# Altium PCB devkit-visao.PcbDoc (part 1 of 2)
Units mm, origin at the board's own origin, x right, y up, seen from the top; angles counter-clockwise.
Board outline 71 x 59 mm, 4 copper layers (L1, L2, L3, L4), stack 1.56 mm thick; 128 components, 84 nets, 411 pads, 419 vias.
Unrouted connection lines stored in the file: 253.
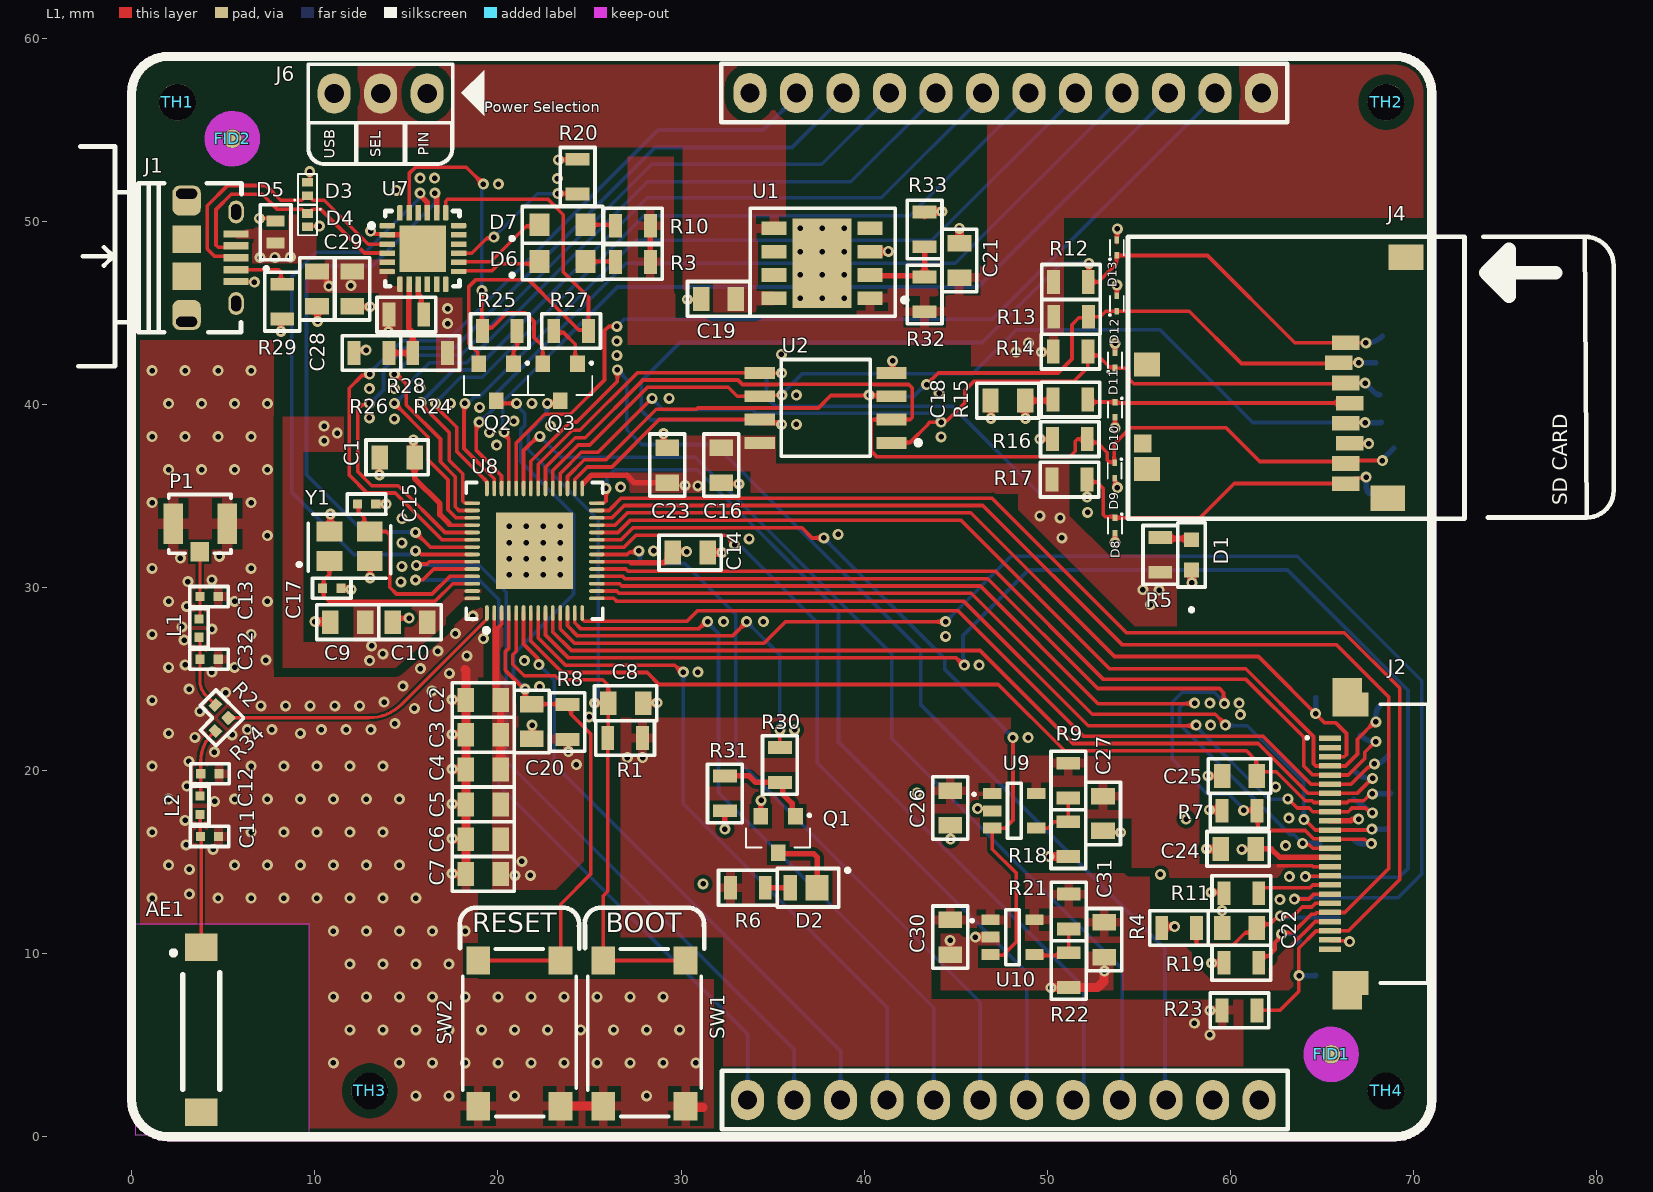
[diagram p0: L1 view]
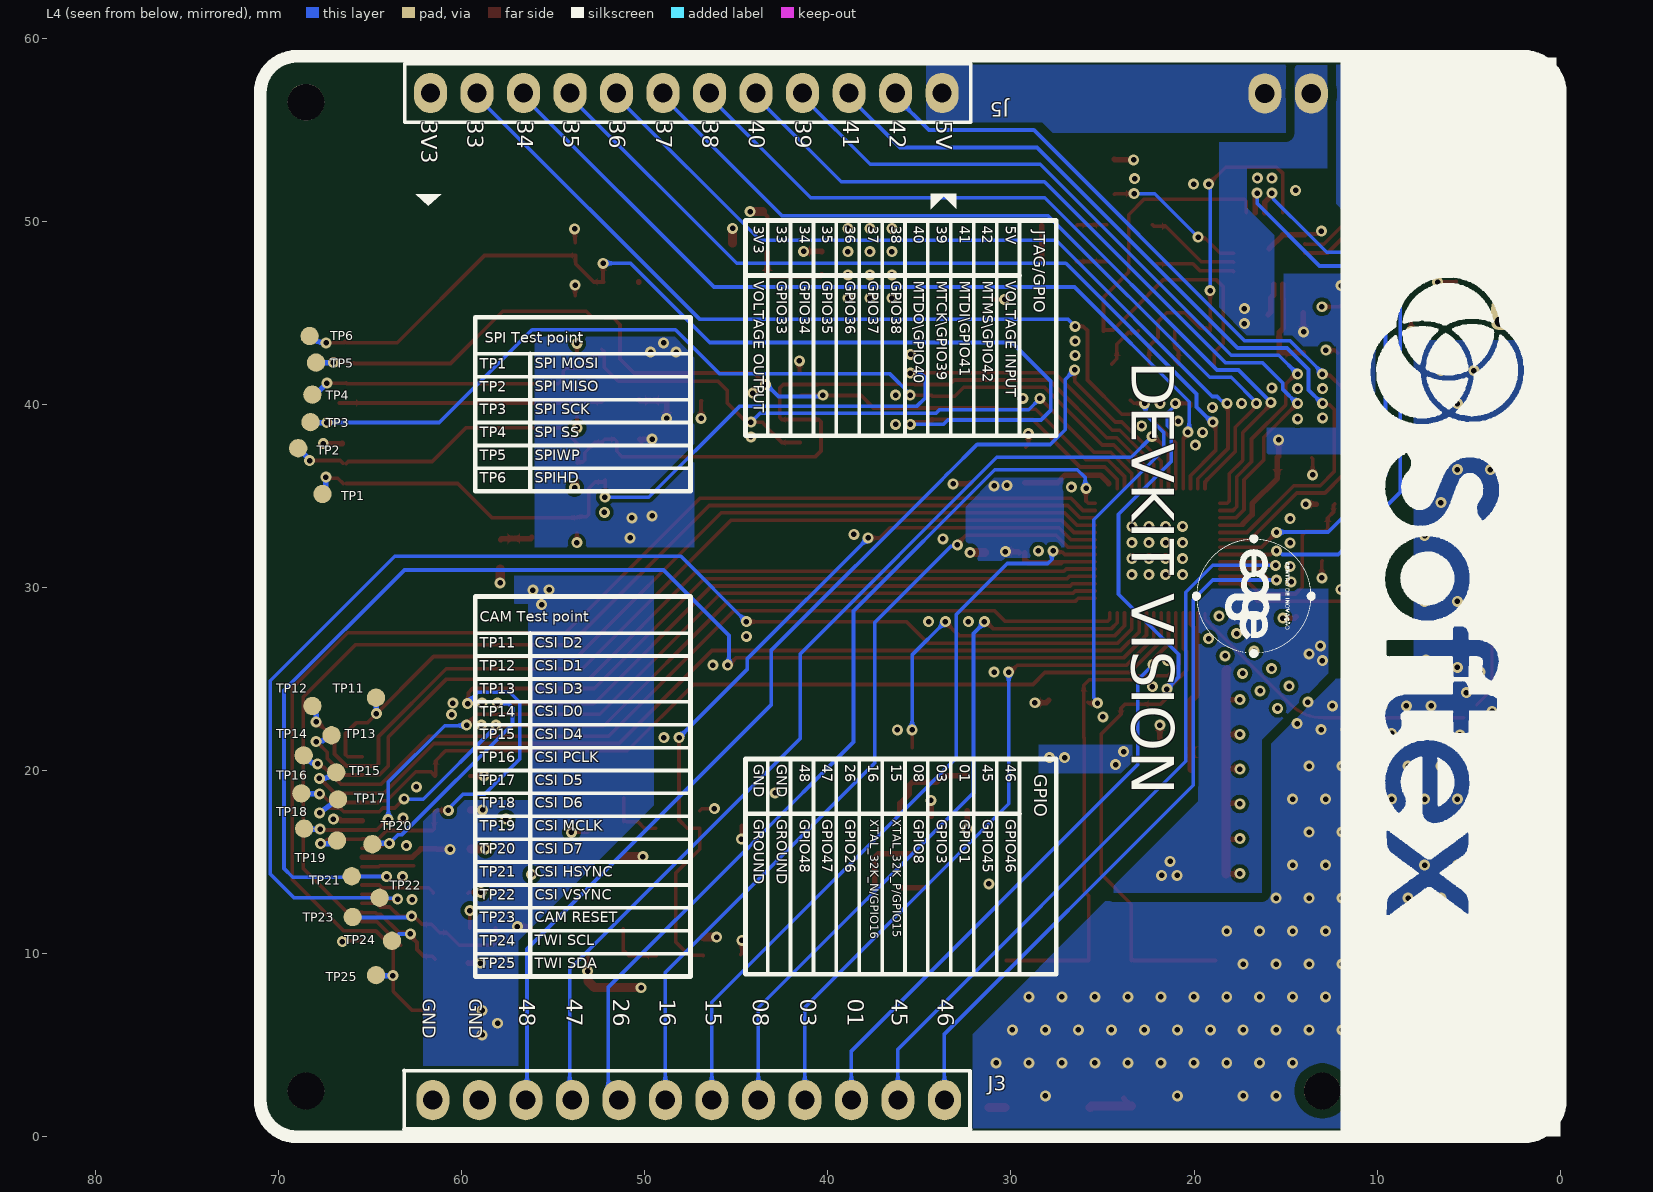
[diagram p1: L4 view, seen from below]
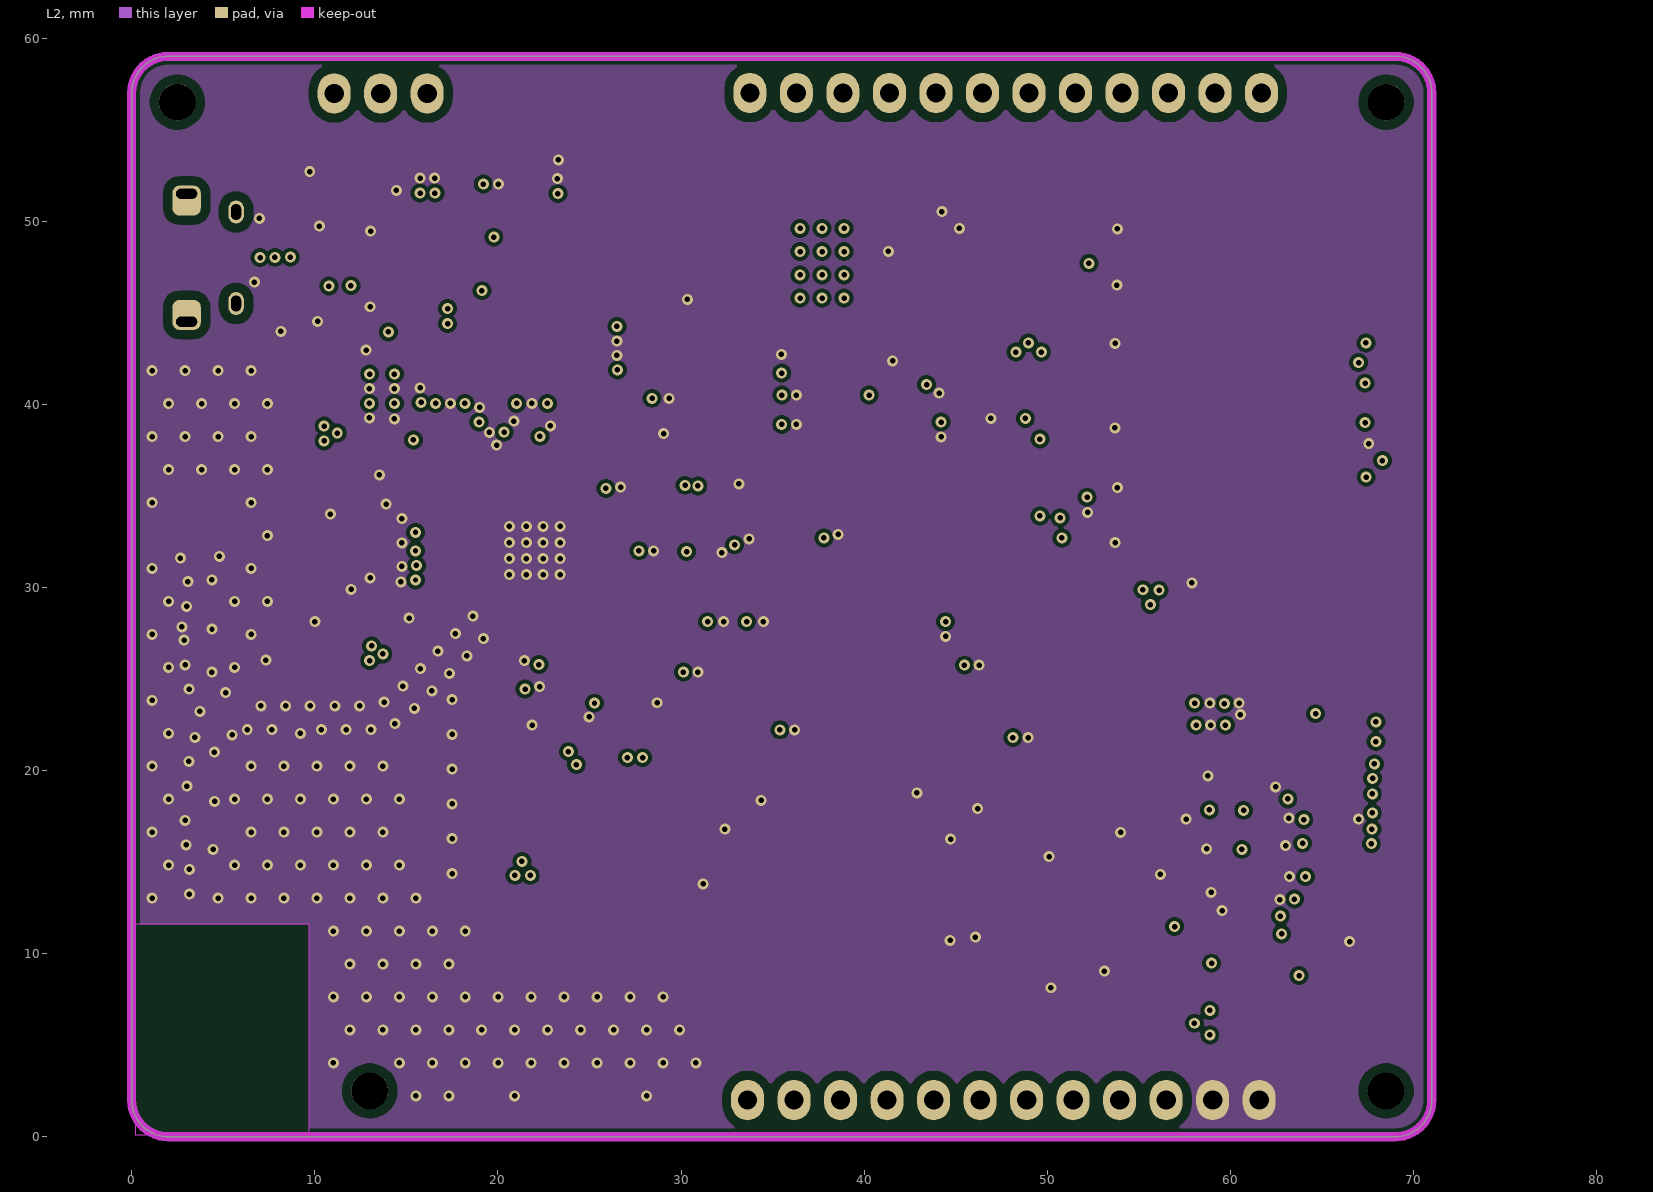
[diagram p2: L2]
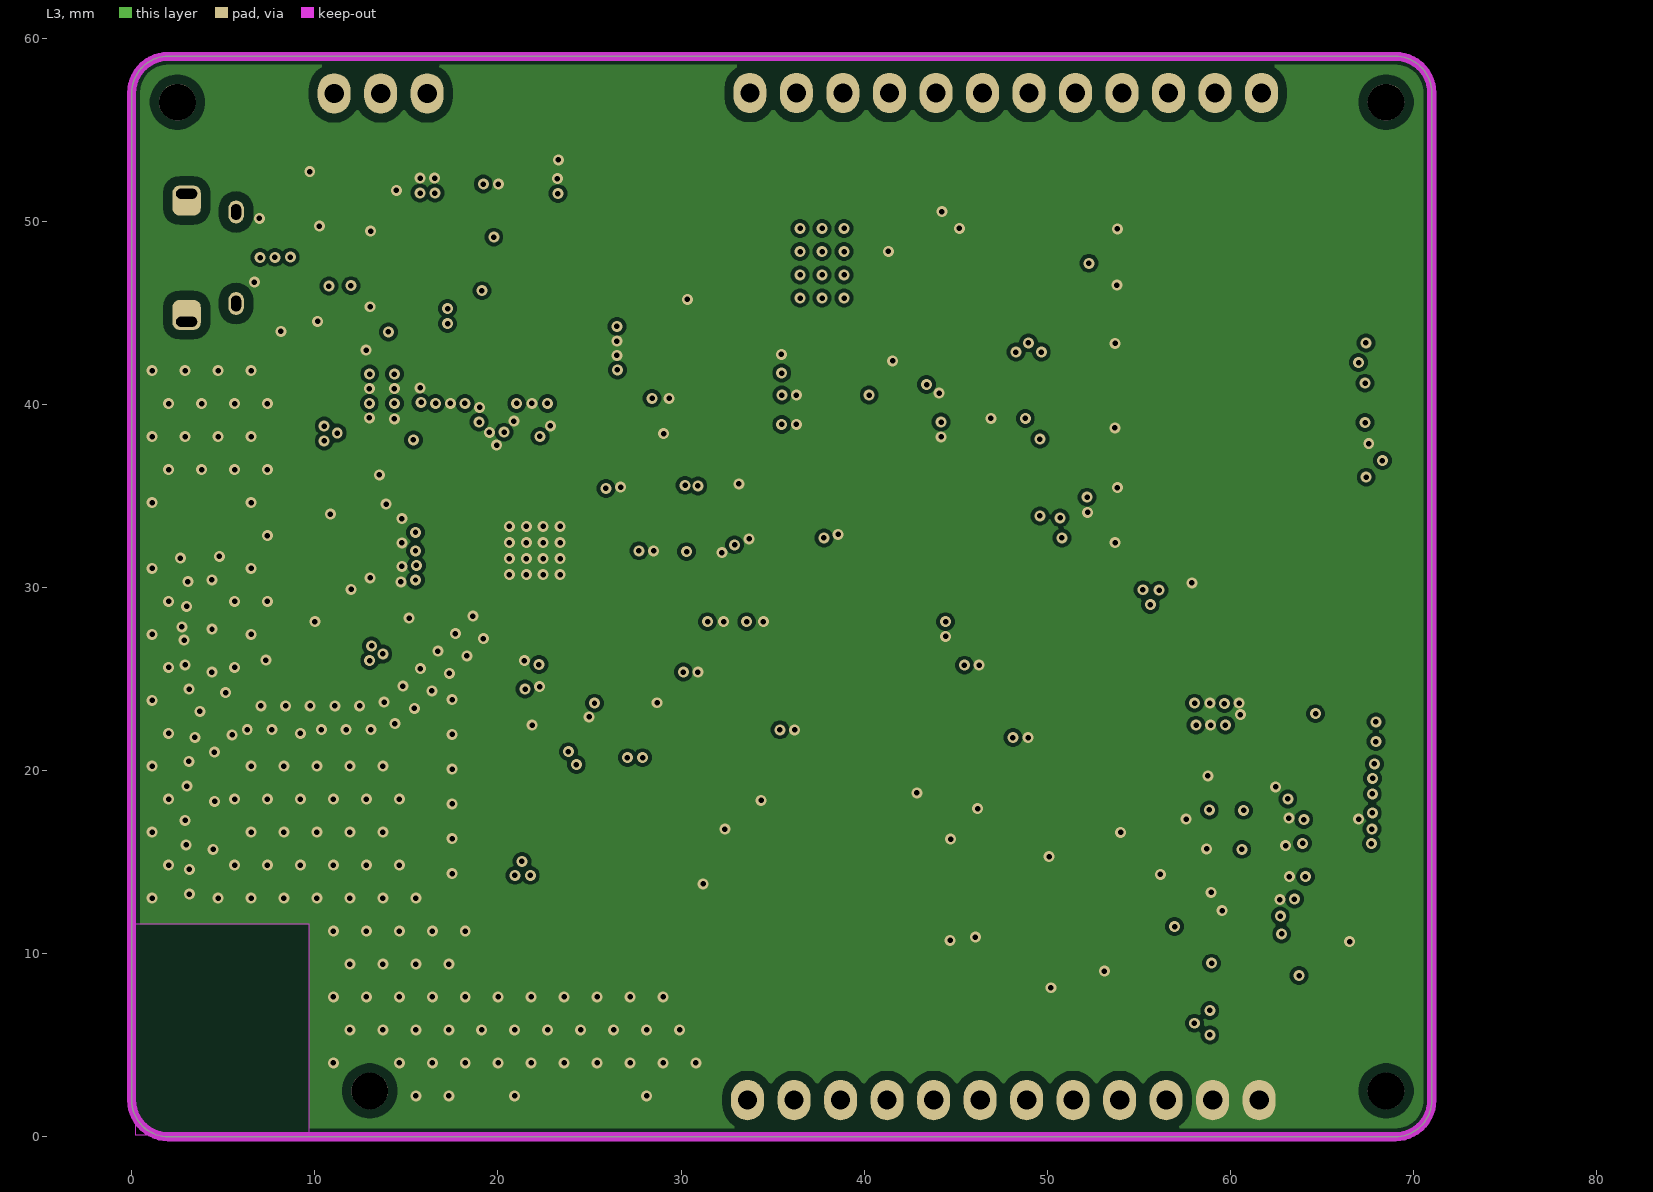
[diagram p3: L3]
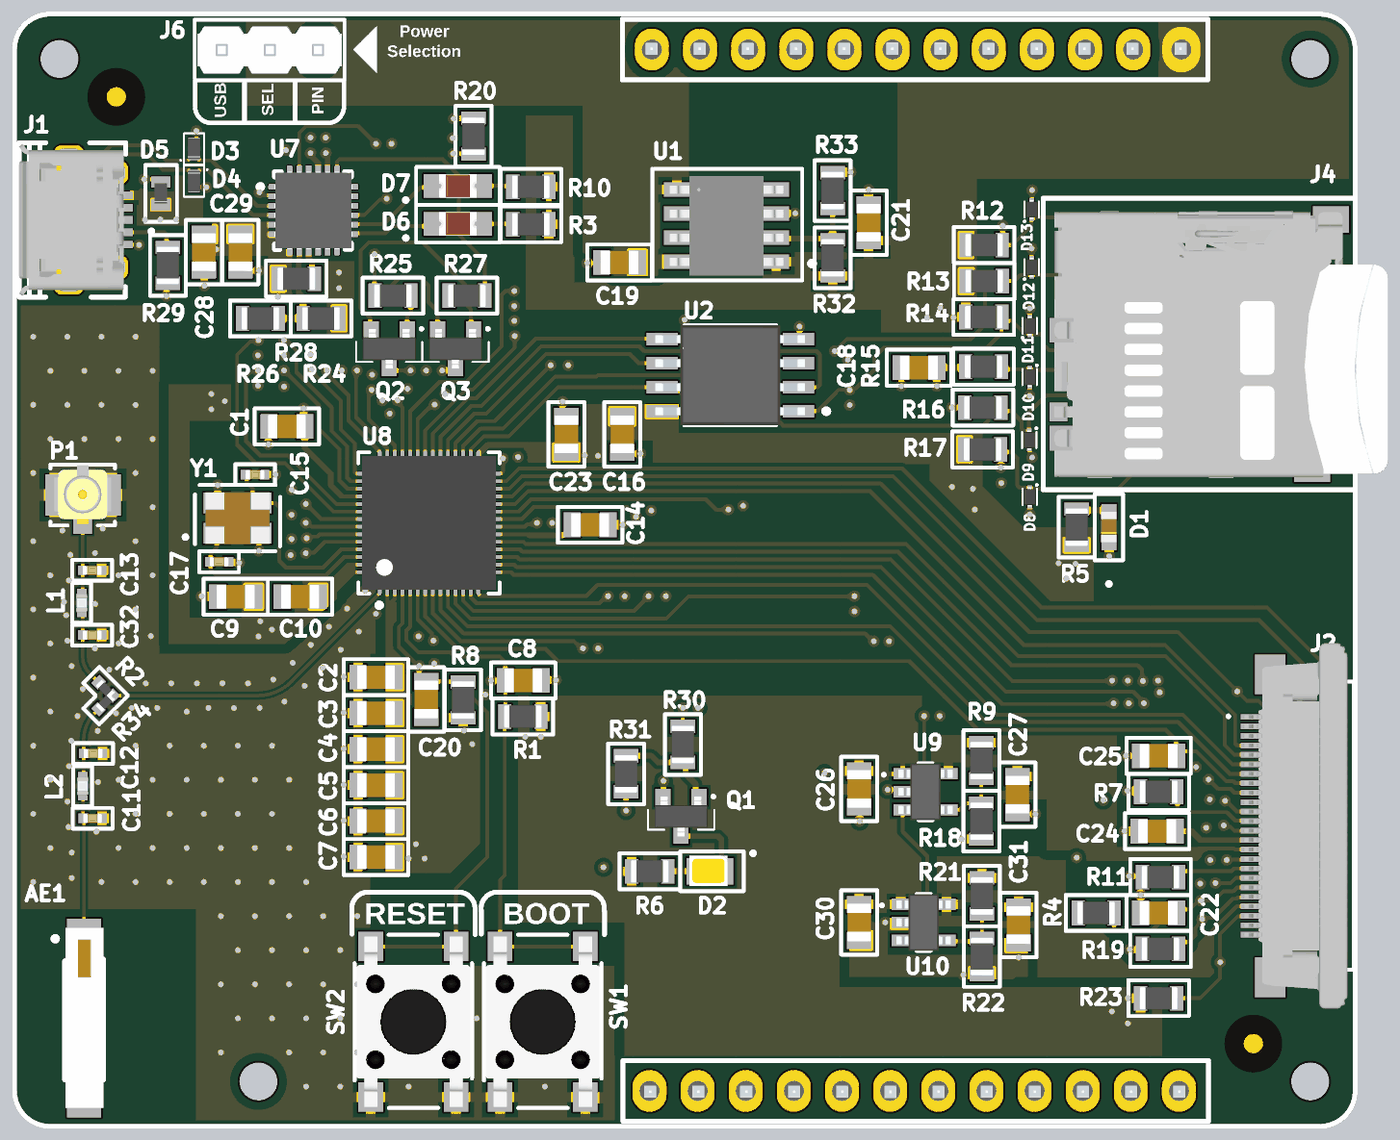
[diagram p5: 3D render of the assembled board from above, using the file's embedded part models]

## Layer stack, top to bottom
Top Solder: solder mask 0.0102, Solder Resist, Dk 3.5
L1: signal copper 0.035
Dielectric 2: prepreg 0.11, PP-006, Dk 4.29
L2: signal copper 0.035
Dielectric 1: core 1.2, Core-025, Dk 4.6
L3: signal copper 0.035
Dielectric 3: prepreg 0.11, PP-006, Dk 4.29
L4: signal copper 0.035
Bottom Solder: solder mask 0.0102, Solder Resist, Dk 3.5

## Board outline
0,2 0,57 cw(c2,57) 2,59 31,59 69,59 cw(c69,57) 71,57 71,2 cw(c69,2) 69,0 2,0 cw(c2,2)

## Design rules (kind name [scope] priority, off if disabled: settings)
Clearance Imp50Clearence [InNetClass('Imp50') vs IsRegion and InNet('GND')] p1: gap=0.127 ignorepadtopadclearanceinfootprint=TRUE
Clearance AntennaPlaneGND [IsKeepOut and InComponent('AE1') vs IsRegion and InNet('GND')] p2: gap=0 ignorepadtopadclearanceinfootprint=FALSE
Clearance AntennaResistors [InComponent('R2') vs InComponent('R34')] p3: gap=0 ignorepadtopadclearanceinfootprint=FALSE
Clearance "Between Polygons" [IsRegion or IsThruPin vs IsRegion or IsThruPin] p4: gap=0.5 ignorepadtopadclearanceinfootprint=TRUE
Clearance [All] p5: gap=0.2 ignorepadtopadclearanceinfootprint=TRUE
ComponentClearance "Jumper antenna" [InComponent('R2') vs InComponent('R34')] p1: gap=0 collisioncheckmode=3 verticalgap=0 showdistances=FALSE
ComponentClearance [All] p2: gap=0.2 collisioncheckmode=3 verticalgap=0.2 showdistances=FALSE
DiffPairsRouting [InDifferentialPairClass('DIFF90')] p1: maxlimit=0.285 minlimit=0.127 mostfreqgap=0.285 toplayer_mingap=0.285 toplayer_minwidth=0.2 toplayer_maxwidth=0.2 toplayer_prefwidth=0.2 midlayer1_maxgap=0.127 midlayer1_prefgap=0.127 midlayer1_minwidth=0.079 midlayer1_maxwidth=0.079 midlayer1_prefwidth=0.079 midlayer2_maxgap=0.127 midlayer2_prefgap=0.127 midlayer2_minwidth=0.079 midlayer2_maxwidth=0.079 midlayer2_prefwidth=0.079 bottomlayer_mingap=0.285 bottomlayer_minwidth=0.2 bottomlayer_maxwidth=0.2 bottomlayer_prefwidth=0.2 impedanceprofiledriven=TRUE impedanceprofileid={3F7E24D9-42C2-4222-A139-F20889C4C9DE} impedanceprofilevalue=90.000000 maxuncoupledlength=12.7
HoleSize [All] p1: absolutevalues=TRUE maxlimit=10 minlimit=0.2 maxpercent=80.000 minpercent=20.000
HoleToHoleClearance [All] p1: gap=0.3 allowstackedmicrovias=TRUE
MinimumSolderMaskSliver J2ANDu1SolderMask [InComponent('U1') or InComponent('J2') vs InComponent('U1') or InComponent('J2')] p1: minsoldermaskwidth=0.09
MinimumSolderMaskSliver ResistorsAntenna [InComponent('R2')And InComponent('R34')] p2: minsoldermaskwidth=0
MinimumSolderMaskSliver [All] p3: minsoldermaskwidth=0.09
PlaneConnect [All] p1: planeconnectstyle=Relief reliefexpansion=0.508 reliefentries=4 reliefconductorwidth=0.5 reliefairgap=0.5
PolygonConnect [All] p1: thpad.connectstyle=Direct thpad.reliefconductorwidth=0.5 thpad.reliefentries=4 thpad.polygonreliefangle="90 Angle" thpad.airgapwidth=0.254 smdpad.connectstyle=Relief smdpad.reliefconductorwidth=0.5 smdpad.reliefentries=4 smdpad.polygonreliefangle="90 Angle" smdpad.airgapwidth=0.3 via.connectstyle=Direct via.reliefconductorwidth=0.254 via.reliefentries=4 via.polygonreliefangle="90 Angle" via.airgapwidth=0.254
RoutingVias UnderE-PAD [HasFootprint('ESP32-S3') or HasFootprint('BD70HC5WEFJ-E2')] p1: holewidth=0.3 width=0.6 viastyle="Through Hole" minholewidth=0.3 minwidth=0.6 maxholewidth=0.3 maxwidth=0.6
RoutingVias [All] p2: holewidth=0.3 width=0.6 viastyle="Through Hole" minholewidth=0.3 minwidth=0.6 maxholewidth=0.3 maxwidth=0.6
ShortCircuit "Antenna Resistors" [InComponent('R2') vs InComponent('R34')] p2: allowed=TRUE
SilkToSilkClearance PerfumariaBottom_2 [InComponent('J5') Or InComponent('J3') vs IsText] p1: silktosilkclearance=0
SilkToSilkClearance PerfumariaBottom [(IsCopperRegion AND OnBottomSilkscreen) OR (OnBottomSilkscreen AND IsText) vs (IsCopperRegion AND OnBottomSilkscreen) OR (OnBottomSilkscreen AND IsText)] p2: silktosilkclearance=0
SilkToSilkClearance PerfumariaTop [(IsCopperRegion AND OnTopSilkscreen) OR (OnTopSilkscreen AND IsText) vs (IsCopperRegion AND OnTopSilkscreen) OR (OnTopSilkscreen AND IsText)] p3: silktosilkclearance=0
SilkToSilkClearance J4andpowerselection [InComponent('J6') vs IsText] p4: silktosilkclearance=0
SilkToSilkClearance SilkR2toR4 [InComponent('R2') vs InComponent('R34')] p5: silktosilkclearance=0
SilkToSilkClearance [All] p6: silktosilkclearance=0.1
SilkToSolderMaskClearance "BOTTOM OVERLAY" [All] p1: minsilkscreentomaskgap=0 clearancetoexposedcopper=TRUE
SilkToSolderMaskClearance R2toR34 [InComponent('R2') And InComponent('R34')] p2: minsilkscreentomaskgap=0.254 clearancetoexposedcopper=TRUE
SilkToSolderMaskClearance [All] p3: minsilkscreentomaskgap=0.1 clearancetoexposedcopper=TRUE
SilkToSolderMaskClearance SilkToSolderJ2 [InComponent('J2')] p4: minsilkscreentomaskgap=0.09 clearancetoexposedcopper=TRUE
SolderMaskExpansion [All] p1: expansion=0.1 istentingtop=FALSE
ViasUnderSMD ViasUnderU8 [InComponent('U8')] p1: allowed=TRUE
ViasUnderSMD ViasUnderU1 [InComponent('U1')] p2: allowed=TRUE
ViasUnderSMD [All] p3: allowed=FALSE
Width Imp50 [InNetClass('Imp50')] p1: maxlimit=0.174 minlimit=0.09 preferedwidth=0.174 toplayer_minwidth=0.174 midlayer1_maxwidth=0.09 midlayer1_prefwidth=0.09 midlayer2_maxwidth=0.09 midlayer2_prefwidth=0.09 bottomlayer_minwidth=0.174 impedanceprofiledriven=TRUE impedanceprofileid={2B88AF1E-3C0A-4A74-BF4E-460FDC38518F} impedanceprofilevalue=50.000000 minimp=50.000000 maximp=50.000000 favimp=50.000000
Width PowerTrack [InNet('+3V3') And InNet('+5V') And InNet('+5V_USB')] p2: maxlimit=0.75 minlimit=0.3 preferedwidth=0.5
Width [All] p3: maxlimit=0.5 minlimit=0.2 preferedwidth=0.3
22 further rules are at their usual default settings.

## Classes and differential pairs
net class Imp50: NetAE1_1 NetC12_2 NetC13_2 NetC32_2 NetR2_1 NetU8_1 NetU8_4
differential pair class DIFF90: USB_D
component class "[04] - SOFTEX-USB-AND-GPIOS": * C19 C21 C22 C24 C25 C26 C27 C28 C29 C30 C31 D2 D3 D4 D5 D6 D7 J1 J2 J3 J5 Q1 Q2 Q3 R3 R4 R6 R7 R9 R10 R11 R18 R19 R20 R21 R22 R23 R24 R25 R26 R27 R28 R29 R30 R31 R32 R33 TP11 TP12 TP13 TP14 TP15 TP16 TP17 TP18 TP19 TP20 TP21 TP22 TP23 TP24 TP25 U1 U7 U9 U10
differential pair USB_D: +USB_D_P -USB_D_N

## Components (designator, comment, footprint, x,y, rotation, side; value= is the part's Value field where it differs from the comment)
AE1 "2450AT45A100E" 2450AT45A100E 3.8,5.85 r90 top locked
C1 "0.1µF/50V" C0805 14.5,37.1 r0 top
C2 "0.1µF/50V" C0805 19.2,23.85 r0 top
C3 "0.1µF/50V" C0805 19.2,21.95 r0 top
C4 "0.1µF/50V" C0805 19.2,20.05 r0 top
C5 "1µF/16V" C0805 19.2,18.15 r0 top
C6 "10µF/50V" C0805 19.2,16.25 r0 top
C7 "10µF/50V" C0805 19.2,14.35 r0 top
C8 "0.1µF/50V" C0805 26.975,23.675 r180 top
C9 "1µF/16V" C0805 11.8,28.1 r0 top
C10 "10nF/50V" C0805 15.2,28.1 r0 top
C11 "0R" C0402 4.25,16.4 r180 top
C12 "0R" C0402 4.275,19.825 r180 top
C13 "0R" C0402 4.225,29.5 r180 top
C14 "0.1µF/50V" C0805 30.5,31.9 r0 top
C15 "50V/14pF" C0402 12.825,34.55 r180 top
C16 "0.1µF/50V" C0805 32.2,36.675 r90 top
C17 "50V/14pF" C0402 10.925,29.95 r180 top
C18 "4.7µF/16V" C0805 47.85,40.2 r0 top
C19 "1µF/16V" C0805 32.05,45.75 r0 top
C20 "0.1µF/50V" C0805 21.85,22.675 r90 top
C21 "1µF/16V" C0805 45.2,47.85 r270 top
C22 "0.1µF/50V" C0805 60.5,11.4 r180 top
C23 "1µF/16V" C0805 29.25,36.675 r270 top
C24 "0.1µF/50V" C0805 60.424,15.721 r180 top
C25 "15pF/50V" C0805 60.5,19.7 r0 top
C26 "1µF/16V" C0805 44.7,17.95 r90 top
C27 "1µF/16V" C0805 53.05,17.65 r90 top
C28 "4.7µF/16V" C0805 10.125,46.3 r90 top
C29 "0.1µF/50V" C0805 12.05,46.3 r90 top
C30 "1µF/16V" C0805 44.7,10.9 r90 top
C31 "1µF/16V" C0805 53.109,10.76 r90 top
C32 "0R" C0402 4.225,26.075 r180 top
D1 "APT1608SYCK" APT1608SYCK 57.875,31.775 r270 top
D2 "MP-2016-1100-50-70" MP-2016-1100-50-70 36.7,13.6 r0 top
D3 "SZESD7451N2T5G" SZESD7451N2T5G 9.6,51.75 r90 top
D4 "SZESD7451N2T5G" SZESD7451N2T5G 9.6,50.05 r270 top
D5 "STN161050U852" STN161050U852 7.85,49.4 r90 top
D6 "LTST-C171KRKT" LTST-C171KRKT 23.525,47.8 r180 top
D7 "LTST-C171KRKT" LTST-C171KRKT 23.525,49.8 r180 top
D8 "ESD9C5.0ST5G" ESD9C5.0ST5G 53.7,33.375 r270 top
D9 "ESD9C5.0ST5G" ESD9C5.0ST5G 53.675,36.375 r270 top
D10 "ESD9C5.0ST5G" ESD9C5.0ST5G 53.7,39.7 r270 top
D11 "ESD9C5.0ST5G" ESD9C5.0ST5G 53.7,42.4 r90 top
D12 "ESD9C5.0ST5G" ESD9C5.0ST5G 53.8,45.5 r90 top
D13 "ESD9C5.0ST5G" ESD9C5.0ST5G 53.8,48.55 r90 top
FID1 "FID_40X1.20" FID_40X1.20 65.5,4.5 r0 top
FID2 "FID_40X1.20" FID_40X1.20 5.5,54.5 r90 top
J1 "10118194-0001LF" 10118194-0001LF 4.331,48.001 r270 top locked
J2 "F32R-1A7H1-11024" F32R1A7H111024 66,16 r90 top locked
J3 "Pin header 1x12" PH1-12-UA 33.635,2 r270 bottom
J4 "47352-1001" SDCARD-0473521001 62.409,41.447 r180 top locked
J5 "Pin header 1x12" PH1-12-UA 61.7,57 r90 bottom
J6 "Pin header 1x3" PH1-03-UA 16.14,56.975 r270 top
L1 "0R" L0402 3.675,27.775 r270 top
L2 "0R" L0402 3.725,18.1 r90 top
P1 "U.FL-R-SMT-1(10)" U.FL-R-SMT-1(10) 3.75,32.712 r180 top
Q1 "8550" MMSS8050-H-TP 35.3,16.5 r180 top
Q2 "8550" MMSS8050-H-TP 19.9,41.2 r180 top
Q3 "8550" MMSS8050-H-TP 23.4,41.2 r180 top
R1 "10K" R0805 26.95,21.775 r0 top
R2 "0R" R0402 4.923,23.23 r135 top
R3 "1K" R0805 27.375,47.775 r180 top
R4 "4K7" R0805 57.2,11.4 r0 top
R5 "1K" R0805 56.175,31.775 r90 top
R6 "3Ω" R0805 33.65,13.6 r180 top
R7 "10K" R0805 60.5,17.8 r0 top
R8 "10K" R0805 23.8,22.65 r270 top
R9 "30K" R0805 51.15,19.45 r90 top
R10 "1K" R0805 27.375,49.75 r180 top
R11 "1K" R0805 60.6,13.3 r0 top
R12 "10K" R0805 51.29,46.68 r0 top
R13 "10K" R0805 51.3,44.775 r0 top
R14 "10K" R0805 51.275,42.875 r0 top
R15 "10K" R0805 51.265,40.254 r0 top
R16 "10K" R0805 51.229,38.095 r0 top
R17 "10K" R0805 51.214,35.885 r0 top
R18 "47K5" R0805 51.15,16.25 r90 top
R19 "4K7" R0805 60.6,9.5 r0 top
R20 "10K" R0805 24.35,52.425 r90 top
R21 "120K" R0805 51.175,12.3 r90 top
R22 "47K5" R0805 51.175,9.1 r90 top
R23 "4K7" R0805 60.5,6.9 r0 top
R24 "22K1" R0805 16.3,42.8 r0 top
R25 "10K" R0805 20.1,44 r0 top
R26 "47K5" R0805 13.1,42.8 r0 top
R27 "10K" R0805 24,44 r180 top
R28 "1K" R0805 15,44.9 r0 top
R29 "0R" R0805 8.225,45.6 r90 top
R30 "1K" R0805 35.4,20.3 r90 top
R31 "10K" R0805 32.4,18.75 r90 top
R32 "30K" R0805 43.3,46 r270 top
R33 "10K" R0805 43.3,49.55 r270 top
R34 "0R" R0402 4.923,22.523 r225 top
SW1 "BUTTON" BUTTON 28,5.65 r90 top
SW2 "BUTTON" BUTTON 21.175,5.65 r90 top
TH1 "Tooling Hole" "TOOLING HOLE" 2.5,56.5 r0 top
TH2 "Tooling Hole" "TOOLING HOLE" 68.5,56.5 r0 top
TH3 "Tooling Hole" "TOOLING HOLE" 13,2.5 r0 top
TH4 "Tooling Hole" "TOOLING HOLE" 68.5,2.5 r0 top
TP1 "TestPoint" "TEST POINT" 67.6,35.1 r90 bottom
TP2 "TestPoint" "TEST POINT" 68.925,37.6 r90 bottom
TP3 "TestPoint" "TEST POINT" 68.25,39.025 r90 bottom
TP4 "TestPoint" "TEST POINT" 68.15,40.525 r90 bottom